# Allegro board A733_PRO3_AXP318_LPDDR5_FBGA315BALL_32X1_V2_0.brd (continued)
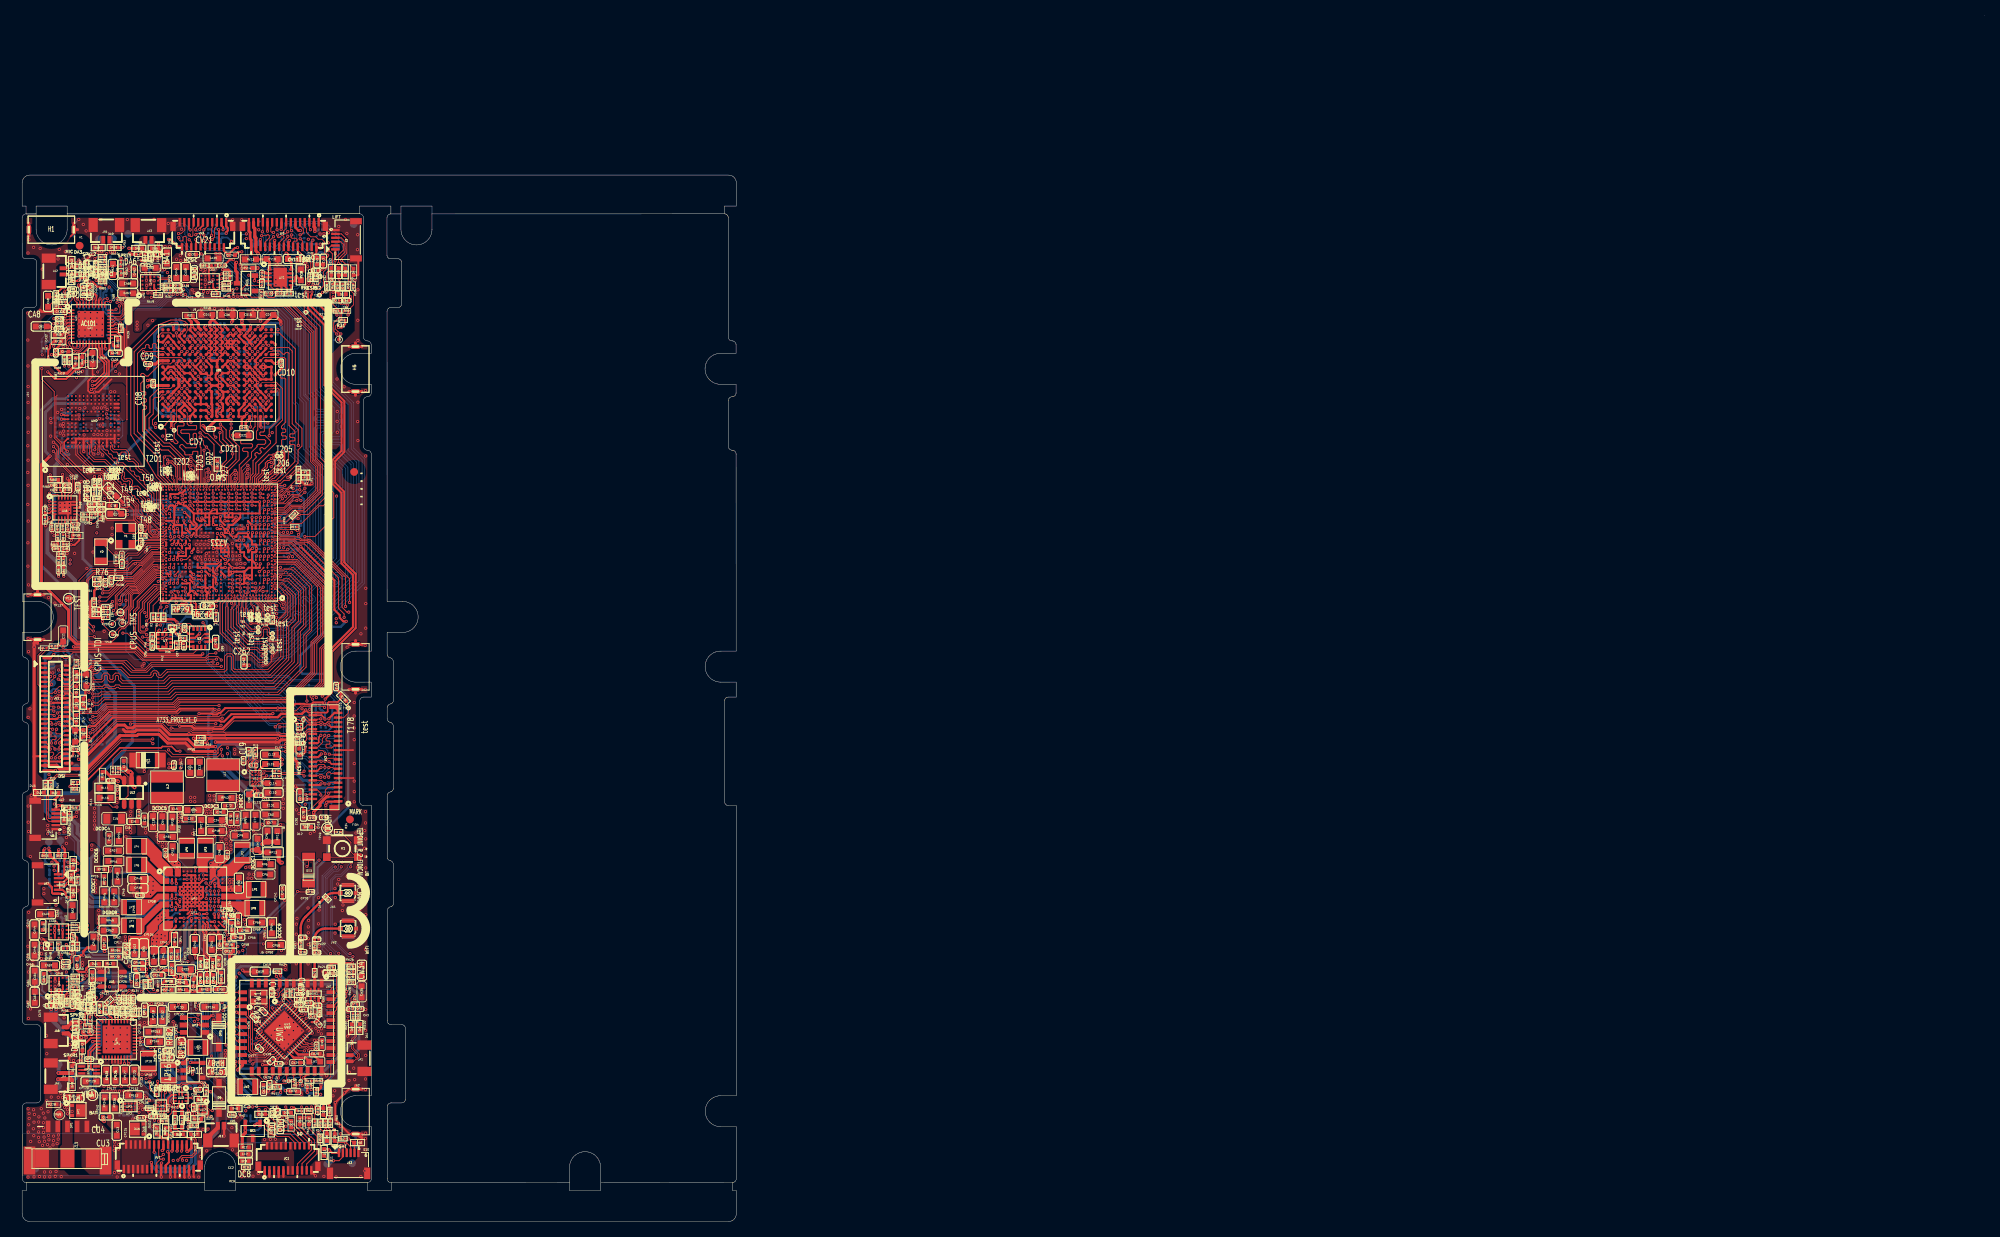
[diagram p0: board, top side]
## Routing (per net, layer and track width the routed paths; a pad name or vN(x,y) marks a point on that pad's centre or on a via; arc(x,y) is an arc through that point) (continued)
MCSIB-CKP: length 82.9
  TOP w0.076: 26.91,78.97 26.91,78.99 26.99,79.06 26.99,79.28 27.38,79.67 27.38,80.5 27.37,80.51 U1.B14
  TOP w0.102: v1(32.28,73.48) 32.18,73.48 31.14,74.52 29.05,74.52 26.91,76.66 26.91,78.97 ; JV1.13 34.63,127.93 v1(34.73,127.84)
  BOTTOM w0.102: 40.83,120.31 40.84,120.29 T141.1 ; 40.83,120.31 40.83,120.62 40.52,120.93 39.6,120.93 39.47,121.06 39.47,121.66 39.98,122.17 39.98,122.59 39.68,122.89 39.26,122.89 38.75,122.38 38.58,122.38 38.31,122.66 38.31,123.63 37.89,124.05 37.23,124.05 37.04,124.24 37.04,124.9 35.43,126.52 35.43,127.29 34.88,127.84 v1(34.73,127.84) ; 40.83,120.31 40.83,118.07 40.53,117.78 40.1,117.78 39.8,118.09 39.8,118.55 39.67,118.68 39.49,118.68 39.41,118.6 39.41,117.21 39.53,117.09 39.77,117.09 40.06,116.79 40.06,116.37 39.77,116.07 39.53,116.07 39.41,115.95 39.41,108.01 39.42,107.97 42.02,105.37 42.02,99.49 43.42,98.09 43.42,82.66 34.24,73.48 v1(32.28,73.48)
MCSIB-D0N: length 88
  TOP w0.076: 26.04,79.9 26.06,79.92 26.06,80.02 26.33,80.3 26.33,80.56 U1.B16
  TOP w0.102: 26.04,79.9 25.83,79.69 25.83,76.06 28.51,73.38 29.68,73.38 30.61,72.45 31.18,72.45 31.41,72.68 v1(31.44,72.68) ; JV1.15 34.03,128.11 33.71,127.79 33.71,127.61 33.84,127.48 34.02,127.48 v1(34.23,127.7)
  BOTTOM w0.102: 41.1,117.45 40.89,116.64 40.28,115.95 39.82,114.78 39.82,108.15 42.43,105.54 42.43,99.67 43.83,98.27 43.83,82.48 34.52,73.17 34.43,73.1 32.24,72.55 31.56,72.55 v1(31.44,72.68) ; 41.1,117.45 41.3,118.24 41.3,118.41 41.63,121.45 41.63,124.65 41.18,126.19 40.22,127.37 39.26,128.34 38.5,128.74 36.73,128.74 36.6,128.61 36.6,128.34 36.48,128.22 36.31,128.22 36.19,128.34 36.19,128.61 36.07,128.73 35.86,128.73 35.74,128.61 35.74,128.36 35.62,128.24 35.45,128.24 35.33,128.36 35.33,128.61 35.21,128.73 35.05,128.73 34.93,128.61 34.93,128.38 34.81,128.26 34.64,128.26 34.52,128.38 34.52,128.61 34.4,128.73 34.17,128.73 34.04,128.6 34.04,127.89 v1(34.23,127.7) ; 41.1,117.45 T142.1
MCSIB-D0P: length 88
  TOP w0.076: U1.B17 26.18,80.79 26.18,80.36 25.95,80.13 25.84,80.13 25.83,80.12
  TOP w0.102: v1(34.25,127.11) 34.25,126.95 33.73,126.43 JV1.16 ; 25.83,80.12 25.52,79.81 25.52,75.93 28.38,73.07 29.55,73.07 30.48,72.14 v1(31.44,72.14)
  BOTTOM w0.102: 40.13,113.72 40.13,108.27 42.74,105.66 42.74,99.79 44.13,98.4 44.13,82.35 34.72,72.94 34.57,72.82 32.28,72.25 31.54,72.25 v1(31.44,72.14) ; 40.13,113.72 T143.1 ; 40.13,113.72 40.13,114.72 40.55,115.78 41.17,116.49 41.6,118.2 41.6,118.4 41.93,121.43 41.93,124.69 41.46,126.33 40.45,127.58 39.44,128.58 38.58,129.04 34.04,129.04 33.82,128.81 33.82,127.54 v1(34.25,127.11)
MCSIB-D1N: length 80.5
  TOP w0.076: 26.55,79.26 26.55,79.28 26.48,79.35 26.48,79.76 26.82,80.11 26.82,80.25 U1.A15
  TOP w0.102: 26.55,79.26 26.55,76.41 28.87,74.09 30.28,74.09 30.7,73.67 31.35,73.67 v1(31.42,73.74) ; JV1.18 33.13,126.3 33.74,126.92 33.74,127.1 33.61,127.23 33.46,127.23 33.17,126.94 33,126.94 32.93,127.01 v1(32.93,127.29)
  BOTTOM w0.102: v1(32.93,127.29) 33.17,127.05 33.27,127.05 33.54,126.78 ; T144.1 33.54,126.78 ; 33.54,126.78 33.74,126.58 33.74,126.25 34.91,125.08 35.36,125.08 35.9,124.55 35.9,123.15 37.73,121.32 38.11,121.32 38.39,121.04 38.39,120.62 37.82,120.05 37.82,119.47 38.39,118.9 38.39,107.58 38.4,107.57 38.4,107.54 41,104.94 41,104.38 40.79,104.17 40.79,103.63 41,103.42 41,103.07 40.73,102.8 40.73,102.31 41,102.03 41,101.36 40.88,101.24 39.94,101.24 39.64,100.95 39.64,100.53 39.94,100.23 40.88,100.23 41,100.11 41,99.06 42.4,97.66 42.4,83.08 34.22,74.9 33.78,74.9 33.37,74.5 33.03,74.5 32.62,74.9 32.18,74.9 31.57,74.3 31.57,73.89 v1(31.42,73.74)
MCSIB-D1P: length 80.5
  TOP w0.076: 26.25,79.26 26.25,79.28 26.33,79.35 26.33,79.83 26.67,80.17 26.67,80.31 U1.A16
  TOP w0.102: JV1.19 32.83,127.99 v1(32.86,127.96) ; v1(31.42,73.2) 31.25,73.37 30.58,73.37 30.16,73.79 28.74,73.79 26.25,76.28 26.25,79.26
  BOTTOM w0.102: v1(31.42,73.2) 31.88,73.66 31.88,74.17 32.3,74.6 32.5,74.6 32.9,74.19 33.5,74.19 33.9,74.6 34.35,74.6 42.7,82.96 42.7,97.79 41.31,99.19 41.31,100.24 41.01,100.53 40.07,100.53 39.95,100.65 39.95,100.82 40.07,100.94 41.01,100.94 41.31,101.24 41.31,102.16 41.03,102.44 41.03,102.67 41.31,102.95 41.31,103.54 41.09,103.76 41.09,104.04 41.31,104.25 41.31,105.07 38.7,107.67 38.7,107.69 38.69,107.71 38.69,119.03 38.12,119.6 38.12,119.93 38.69,120.5 38.69,121.17 38.23,121.63 37.85,121.63 36.2,123.28 36.2,124.67 35.49,125.39 35.03,125.39 34.85,125.57 ; 34.85,125.57 34.92,125.64 T145.1 ; 34.85,125.57 34.04,126.38 34.04,126.72 32.86,127.9 v1(32.86,127.96)
MCSIB-D2N: length 83
  TOP w0.076: 27.91,79.09 27.91,79.11 27.83,79.18 27.83,79.34 28.05,79.55 28.05,80.28 U1.A12
  TOP w0.102: JV1.21 32.23,128.35 32.06,128.18 32.06,127.74 32.19,127.61 v1(32.41,127.61) ; 27.91,79.09 27.91,77.15 29.52,75.54 30.68,75.54 30.8,75.67 30.8,76.44 31.11,76.74 31.63,76.74 31.9,76.48 31.9,75.82 31.99,75.73 32.14,75.73 v1(32.28,75.86)
  BOTTOM w0.102: v1(32.41,127.61) 31.9,127.1 31.9,126.99 31.9,126.98 31.9,126.98 31.9,126.07 32.45,125.52 32.87,125.52 33.07,125.71 33.23,125.71 33.35,125.59 33.35,125.43 33.16,125.23 33.16,124.81 34.05,123.92 34.47,123.92 34.88,124.33 35.05,124.33 35.17,124.21 35.17,124.04 34.76,123.63 34.76,123.21 36.19,121.78 36.19,119.62 ; T146.1 36.19,119.62 ; 36.19,119.62 36.19,119.3 37.37,118.12 37.37,118.11 37.68,117.8 37.68,107.15 39.91,104.91 39.91,102.1 39.77,101.96 38.71,101.96 38.41,101.66 38.41,100.47 41.69,97.19 41.69,83.39 41.51,83.2 41.34,83.2 40.81,83.73 40.39,83.73 40.09,83.43 40.09,83.01 40.62,82.48 40.62,82.32 40.5,82.2 40.33,82.2 39.81,82.72 39.39,82.72 39.09,82.42 39.09,82 39.61,81.48 39.61,81.31 39.49,81.19 39.32,81.19 38.8,81.72 38.38,81.72 38.08,81.42 38.08,81 38.6,80.47 38.6,80.3 33.94,75.64 32.5,75.64 v1(32.28,75.86)
MCSIB-D2P: length 83.1
  TOP w0.076: U1.A13 27.9,80.28 27.9,79.62 27.68,79.4 27.68,79.18 27.6,79.11 27.6,79.09
  TOP w0.102: 27.6,79.09 27.6,77.02 29.39,75.24 30.8,75.24 31.11,75.54 31.11,76.31 31.24,76.44 31.51,76.44 31.59,76.35 31.59,75.69 31.86,75.42 32.18,75.42 v1(32.28,75.33) ; v1(32.41,127.06) 31.93,126.58 JV1.22
  BOTTOM w0.102: v1(32.28,75.33) 32.28,75.34 34.07,75.34 38.91,80.18 38.91,80.6 38.38,81.12 38.38,81.29 38.51,81.41 38.67,81.41 39.2,80.89 39.62,80.89 39.92,81.18 39.92,81.6 39.39,82.13 39.39,82.3 39.51,82.42 39.68,82.42 40.2,81.89 40.63,81.89 40.92,82.19 40.92,82.61 40.4,83.14 40.4,83.3 40.52,83.42 40.69,83.42 41.21,82.9 41.63,82.9 41.99,83.26 41.99,97.32 38.72,100.6 38.72,101.53 38.84,101.65 39.9,101.65 40.22,101.97 40.22,105.04 37.98,107.28 37.98,117.93 37.68,118.24 37.68,118.25 36.49,119.43 36.49,121.91 35.29,123.11 ; 35.29,123.11 35.38,123.2 T147.1 ; 35.29,123.11 35.07,123.34 35.07,123.5 35.48,123.91 35.48,124.33 35.18,124.63 34.76,124.63 34.35,124.22 34.18,124.22 33.47,124.94 33.47,125.11 33.66,125.3 33.66,125.72 33.36,126.02 32.94,126.02 32.75,125.83 32.58,125.83 32.21,126.2 32.21,126.86 v1(32.41,127.06)
MCSIB-D3N: length 83
  TOP w0.076: 28.53,79.19 28.53,79.21 28.45,79.28 28.45,79.86 28.57,79.99 U1.B11
  TOP w0.102: v1(30.88,127.19) 31.47,127.19 31.59,127.32 31.74,127.32 31.86,127.2 31.86,126.91 31.33,126.38 JV1.24 ; 28.53,79.19 28.53,77.49 29.59,76.43 30.3,76.43 30.43,76.55 v1(30.43,76.63)
  BOTTOM w0.102: v1(30.43,76.63) 30.43,76.52 30.59,76.36 31.63,76.36 31.81,76.54 32.9,76.54 33.09,76.73 33.51,76.73 33.68,76.56 33.85,76.56 33.97,76.68 33.97,76.85 33.8,77.02 33.8,77.44 34.1,77.74 34.52,77.74 34.69,77.57 34.86,77.57 34.98,77.69 34.98,77.86 34.81,78.03 34.81,78.45 35.11,78.75 35.53,78.75 35.7,78.58 35.86,78.58 36.3,79.01 36.3,79.19 35.82,79.67 35.82,80.26 36.21,80.65 36.63,80.65 37.2,80.08 37.37,80.08 37.49,80.2 37.49,80.37 36.92,80.94 36.92,81.36 40.98,85.42 40.98,96.89 37.66,100.2 37.66,102.37 37.97,102.68 39.11,102.68 39.2,102.78 39.2,102.96 39.09,103.07 37.95,103.07 37.66,103.36 37.66,103.81 37.95,104.09 39.09,104.09 39.2,104.2 39.2,104.39 39.09,104.5 37.96,104.5 37.66,104.79 37.66,106.15 37.41,106.4 37.41,106.4 36.96,106.84 36.96,117.5 34.65,119.81 34.65,120.33 34.95,120.63 35.33,120.63 35.45,120.74 35.45,120.91 35.33,121.03 34.95,121.03 34.65,121.33 34.65,122.3 32.86,124.09 ; 32.86,124.09 32.38,124.58 32.21,124.58 31.51,123.88 31.09,123.88 30.79,124.18 30.79,124.6 31.49,125.3 31.49,125.46 31.12,125.83 31.12,126.95 v1(30.88,127.19) ; 32.86,124.09 T148.1
MCSIB-D3P: length 82.9
  TOP w0.076: 28.22,79.19 28.22,79.21 28.3,79.28 28.3,79.92 28.42,80.05 28.42,80.55 U1.B12
  TOP w0.102: JV1.25 31.03,127.76 v1(30.97,127.7) ; v1(30.43,76.06) 30.37,76.12 29.47,76.12 28.22,77.37 28.22,79.19
  BOTTOM w0.102: 31.43,126.62 31.43,125.96 31.79,125.59 31.79,125.17 31.1,124.47 31.1,124.31 31.22,124.19 31.39,124.19 32.08,124.88 32.5,124.88 34.96,122.43 34.96,121.46 35.08,121.34 35.46,121.34 35.76,121.04 35.76,120.62 35.46,120.32 35.08,120.32 34.96,120.2 34.96,119.94 37.27,117.63 37.27,106.97 37.53,106.71 37.54,106.71 37.97,106.27 37.97,104.92 38.09,104.8 39.22,104.8 39.51,104.51 39.51,104.07 39.22,103.78 38.07,103.78 37.97,103.68 37.97,103.48 38.07,103.38 39.22,103.38 39.51,103.09 39.51,102.65 39.23,102.37 38.1,102.37 37.97,102.24 37.97,100.33 41.28,97.01 41.28,85.29 37.22,81.23 37.22,81.07 37.79,80.5 37.79,80.08 37.49,79.78 37.07,79.78 36.5,80.35 36.34,80.35 36.13,80.14 36.13,79.79 36.6,79.32 36.6,78.89 35.99,78.27 35.57,78.27 35.4,78.44 35.23,78.44 35.11,78.32 35.11,78.15 35.28,77.99 35.28,77.56 34.98,77.27 34.56,77.27 34.39,77.44 34.22,77.44 34.11,77.32 34.11,77.15 34.28,76.98 34.28,76.56 33.98,76.26 33.56,76.26 33.39,76.43 33.22,76.43 33.03,76.24 31.94,76.24 31.75,76.06 v1(30.43,76.06) ; 31.43,126.62 T149.1 ; 31.43,126.62 31.43,127.24 v1(30.97,127.7)
MCSIC-CKN: length 69.7
  TOP w0.076: 31.19,78.64 31.19,78.66 31.11,78.74 31.11,79.02 29.94,80.2 29.94,80.56 U1.B7
  TOP w0.102: v1(22.38,127.32) 22.55,127.48 22.88,127.48 23.01,127.35 JV3.12 ; 31.19,78.64 31.19,78.15 31.34,78 31.51,78 31.64,78.13 v1(31.64,78.23)
  BOTTOM w0.102: v1(31.64,78.23) 31.81,78.06 31.99,78.06 32.13,78.21 32.13,79.72 32.95,80.54 32.95,80.96 38.21,86.22 38.21,93.29 39.2,94.28 39.2,94.28 39.22,94.31 39.22,96.72 36.3,99.64 36.3,105.59 35.61,106.29 35.61,116.9 33.34,119.16 33.34,119.19 33.28,119.25 33.28,121.66 32.85,122.1 30.12,122.1 26.96,125.26 23.72,125.26 22.74,126.24 22.74,127.2 22.51,127.44 v1(22.38,127.32)
MCSIC-CKP: length 69.8
  TOP w0.076: 30.89,78.64 30.89,78.66 30.96,78.74 30.96,78.95 29.78,80.13 29.78,80.79 U1.B8
  TOP w0.102: 30.89,78.64 30.89,78 31.26,77.63 v1(31.64,77.63) ; v1(22.38,127.95) 22.38,128.15 22.71,128.48 JV3.13
  BOTTOM w0.102: v1(22.38,127.95) 22.55,127.79 22.59,127.79 23.05,127.33 23.05,126.36 23.84,125.56 27.08,125.56 30.25,122.4 32.98,122.4 33.59,121.79 33.59,119.38 33.65,119.32 33.65,119.29 35.91,117.03 35.91,106.41 36.61,105.71 36.61,99.77 39.53,96.85 39.53,94.18 39.5,94.16 38.51,93.17 38.51,86.09 33.26,80.83 33.26,80.42 32.44,79.6 32.44,78.08 31.98,77.63 31.86,77.63 v1(31.64,77.63)
MCSIC-D0N: length 73.1
  TOP w0.076: 29.04,79.04 29.04,79.06 28.97,79.13 28.97,80.39 U1.A10
  TOP w0.102: JV3.15 22.11,128.4 22.02,128.31 22.02,127.21 21.89,127.08 21.71,127.08 21.53,127.26 v1(21.53,127.3) ; v1(29.5,78.31) 29.35,78.16 29.14,78.16 29.04,78.26 29.04,79.04
  BOTTOM w0.102: v1(21.53,127.3) 21.28,127.56 21.28,128.41 20.96,128.73 19.95,128.73 19.41,128.19 19.41,126.26 22.46,123.21 26.1,123.21 31.15,118.16 32.32,118.16 34.18,116.29 34.18,99.28 37.8,95.66 37.8,94.92 36.79,93.9 36.79,86.7 34.01,83.92 33.04,83.92 32.42,83.3 32.42,82.98 31.59,82.15 31.59,81.15 29.86,79.42 29.86,78.37 29.74,78.25 29.56,78.25 v1(29.5,78.31)
MCSIC-D0P: length 73.1
  TOP w0.076: 28.74,79.04 28.74,79.06 28.81,79.13 28.81,80.19 28.74,80.27 28.74,80.56 U1.B10
  TOP w0.102: v1(29.5,77.7) 29.35,77.86 29.02,77.86 28.74,78.14 28.74,79.04 ; v1(21.53,126.67) 21.81,126.4 JV3.16
  BOTTOM w0.102: v1(21.53,126.67) 21.53,126.76 20.98,127.32 20.98,128.28 20.84,128.42 20.07,128.42 19.72,128.07 19.72,126.39 22.59,123.52 26.22,123.52 31.28,118.46 32.44,118.46 34.49,116.42 34.49,99.41 38.11,95.79 38.11,94.79 37.09,93.78 37.09,86.58 34.13,83.62 33.17,83.62 32.72,83.17 32.72,82.85 31.9,82.03 31.9,81.03 30.17,79.29 30.17,78.25 29.78,77.86 29.65,77.86 v1(29.5,77.7)
MCSIC-D1N: length 69.8
  TOP w0.076: 29.91,79.47 29.9,79.48 29.79,79.48 29.61,79.66 29.61,80.56 29.37,80.8 U1.B9
  TOP w0.102: 29.91,79.47 30.15,79.23 30.15,78.18 30.25,78.08 30.4,78.08 30.5,78.18 v1(30.5,78.28) ; JV3.18 21.21,126.36 21.17,126.4 21.17,127 21.06,127.1 20.87,127.1 20.75,126.97 20.75,126.62 20.64,126.52 20.35,126.52 20.19,126.68 v1(20.19,126.96)
  BOTTOM w0.102: v1(20.19,126.96) 20.26,126.96 20.39,126.83 20.39,126.44 22.87,123.96 26.35,123.96 31.45,118.87 32.62,118.87 34.89,116.6 34.89,105.69 35.31,105.27 35.31,102.28 34.9,101.86 34.9,99.6 38.51,95.98 38.51,94.61 37.5,93.6 37.5,86.52 32.19,81.22 32.19,80.84 30.96,79.61 30.96,78.54 30.97,78.53 30.97,78.23 30.84,78.1 30.68,78.1 v1(30.5,78.28)
MCSIC-D1P: length 69.7
  TOP w0.076: 29.69,79.25 29.68,79.27 29.68,79.38 29.46,79.59 29.46,80.3 29.44,80.32 29.44,80.33 U1.A9
  TOP w0.102: JV3.19 20.91,128.45 20.98,128.38 20.98,127.93 20.56,127.51 20.2,127.51 v1(20.16,127.47) ; v1(30.5,77.68) 30.4,77.78 30.12,77.78 29.84,78.06 29.84,79.1 29.69,79.25
  BOTTOM w0.102: v1(30.5,77.68) 30.62,77.8 30.97,77.8 31.27,78.1 31.27,78.66 31.27,78.66 31.27,79.48 32.49,80.71 32.49,81.09 37.8,86.4 37.8,93.47 38.82,94.49 38.82,96.11 35.2,99.72 35.2,101.74 35.62,102.15 35.62,105.4 35.2,105.82 35.2,116.72 32.75,119.18 31.57,119.18 26.48,124.27 22.99,124.27 20.7,126.57 20.7,127 20.23,127.47 v1(20.16,127.47)
MIC1N-MIC: length 7
  TOP w0.102: RA101.1 42.65,25.62 DA2.2 42.92,25.02 42.92,24 42.48,23.56 42.48,22.31 43.26,21.53 43.26,21.27 43.15,21.16 43.05,21.16 42.75,21.46 JA1.2
MIC1P-MIC: length 7.3
  TOP w0.102: JA1.1 42.75,20.66 43.05,20.96 43.24,20.96 43.47,21.19 43.47,21.61 42.68,22.39 42.68,23.47 43.12,23.91 43.12,25.06 DA1.2 43.26,25.74 RA100.1
MIC2N/MIC3N: length 12.6
  TOP w0.102: v1(7.11,119.04) 7.46,118.68 UA1.39 ; RA78.2 RA80.2 10.61,121.03 v1(10.78,120.86)
  L3 w0.102: v1(10.78,120.86) 10.78,122.44 11.2,122.86 11.55,122.86 11.91,122.5 11.91,120.42 11.32,119.84 7.82,119.84 7.55,119.56 7.55,119.48 v1(7.11,119.04)
MIC2N/MIC3N-1: length 0.7
  TOP w0.102: RA78.1 9.63,121.92 CA22.1
MIC2N/MIC3N-MIC: length 1.8
  TOP w0.102: RA103.1 7.1,122.19 DA4.2 JA2.2
MIC2P/MIC3P: length 12.6
  TOP w0.102: UA1.37 8.26,118.93 8.15,119.05 v1(8.15,119.06) ; RA77.2 RA79.2 10.6,124.57 v1(10.9,124.88)
  L3 w0.102: v1(8.15,119.06) 7.75,119.46 7.75,119.48 7.91,119.63 11.41,119.63 12.11,120.34 12.11,122.59 11.64,123.06 11.25,123.06 10.9,123.41 v1(10.9,124.88)
MIC2P/MIC3P-1: length 0.7
  TOP w0.102: CA19.1 9.61,123.81 RA77.1
MIC2P/MIC3P-MIC: length 1.9
  TOP w0.102: JA2.1 6.2,122.99 DA3.2 7.08,123.19 RA102.1
MIC-GND-SEL: length 101.2
  TOP w0.076: UU2.B2 23.45,14.67 23.91,14.67 24.27,14.31 v1(24.51,14.31)
  TOP w0.102: U1.AN1 33.03,93.2 33.41,93.59 33.5,93.59 34.15,94.23 34.5,94.23 34.54,94.19 35.15,94.19 35.36,94.41 v1(35.78,94.41)
  L3 w0.102: v1(35.78,94.41) 36.32,94.94 36.59,94.94 37.12,94.42 37.12,90.18 37.72,89.58 37.72,77.24 35.7,75.22 35.7,70.4 34.75,69.45 34.75,65.61 35.03,65.33 35.03,59.02 34.85,58.83 34.85,57.33 35.59,56.58 35.59,55.83 35.42,55.65 35.42,54.1 34.74,53.42 34.74,51.07 31.4,47.73 31.4,44.2 30.02,42.83 30.02,39.87 29.62,39.47 29.62,36.53 v1(28.59,35.51)
  L4 w0.102: v1(24.51,14.31) 26.2,14.31 26.58,14.69 29.15,14.69 v1(29.18,14.72)
  BOTTOM w0.102: v1(28.59,35.51) 28.9,35.2 28.9,34.17 27.1,32.37 27.1,30.55 25.76,29.22 24.63,29.22 24.25,28.84 24.25,25.42 25.37,24.3 25.37,19.73 29.18,15.91 v1(29.18,14.72)
MICIN1N: length 2.8
  TOP w0.102: UA1.1 6.04,117.58 5.88,117.74 5.88,118.38 6.45,118.95 6.45,119.31 6.69,119.55 CA9.1
MICIN1N-AC107: length 0.9
  TOP w0.102: RA82.1 4.71,89.94 UA6.6
MICIN1P: length 2.4
  TOP w0.102: UA1.40 7.06,118.55 6.75,118.86 6.75,119.18 7.04,119.48 7.04,119.93 6.69,120.28 CA6.1
MICIN1P-AC107: length 0.9
  TOP w0.102: RA81.1 5.11,89.95 UA6.7
MICIN2N-AC107: length 1.2
  TOP w0.102: UA6.12 7.42,91.66 RA84.1
MICIN2P-AC107: length 1.3
  TOP w0.102: UA6.11 7.16,91.26 RA83.1
MIPI-DSI0-CKN: length 60.1
  TOP w0.076: U1.G2 32.42,83.05 33,83.05 33.19,82.86 33.66,82.86 33.74,82.93 33.76,82.93
  TOP w0.102: v1(9.1,68.58) 9.27,68.74 10.51,68.74 10.7,68.94 10.98,68.94 11.17,68.74 12,68.74 12.18,68.92 12.39,68.92 12.57,68.74 18.64,68.74 19.36,69.47 32.37,69.47 35.08,72.18 35.08,76.5 35.92,77.34 35.92,81.39 34.38,82.93 33.76,82.93 ; JL1.32 5.22,62.73 4.39,61.9 4.39,61.82 v1(4.3,61.73)
  L4 w0.102: v1(9.1,68.58) 9.05,68.63 8.47,68.63 7.01,67.17 7.01,64.17 5.12,62.28 4.29,62.28 4.19,62.18 4.19,62.07 4.3,61.95 v1(4.3,61.73)
  BOTTOM w0.102: TP73.1 11.13,63.75 10.09,64.79 10.09,65.15 9.48,65.76 9.48,68.2 v1(9.1,68.58) ; DL8.2 4.28,61.76 v1(4.3,61.73)
MIPI-DSI0-CKP: length 59.8
  TOP w0.076: U1.G1 32.67,82.9 32.94,82.9 33.13,82.7 33.66,82.7 33.74,82.63 33.76,82.63
  TOP w0.102: v1(3.79,61.73) 3.79,62.05 3.92,62.18 4.24,62.18 4.39,62.33 4.39,62.51 4.27,62.62 3.37,62.62 3.18,62.43 JL1.33 ; 33.76,82.63 34.26,82.63 35.62,81.27 35.62,77.47 34.78,76.63 34.78,72.31 32.24,69.77 19.24,69.77 18.51,69.05 12.7,69.05 12.52,69.23 12.05,69.23 11.87,69.05 11.3,69.05 11.11,69.24 10.58,69.24 10.38,69.05 9.11,69.05 v1(9.08,69.09)
  L4 w0.102: v1(3.79,61.73) 3.79,61.95 3.91,62.07 3.91,62.3 4.17,62.56 5,62.56 6.73,64.29 6.73,67.29 8.35,68.91 8.87,68.91 9.05,69.09 v1(9.08,69.09)
  BOTTOM w0.102: TP72.1 10.79,64.68 10.64,64.68 10.4,64.92 10.4,65.28 9.79,65.89 9.79,68.32 9.5,68.61 9.5,68.68 9.1,69.09 v1(9.08,69.09) ; DL9.2 3.67,61.86 v1(3.79,61.73)
MIPI-DSI0-DN0: length 54.4
  TOP w0.076: U1.E2 32.36,82 32.36,82 32.75,82 33.21,82 33.81,81.4 33.92,81.4 33.93,81.39
  TOP w0.102: v1(4.35,64.16) 4.72,64.53 JL1.26 ; 33.93,81.39 34.55,80.77 34.55,78.08 33.66,77.18 33.66,72.77 31.8,70.91 27.3,70.91 26.98,71.23 26.98,72.83 26.86,72.95 26.54,72.95 26.41,72.82 26.41,71.21 26.1,70.9 18.75,70.9 18.73,70.88 18.7,70.88 17.99,70.17 17.6,70.17 17.32,70.45 17.32,70.65 17.21,70.76 17.01,70.76 16.91,70.65 16.91,70.45 16.63,70.17 13.75,70.17 12.68,71.23 10.18,71.23 9.63,70.69 9.16,70.69 v1(9.09,70.62)
  L4 w0.102: v1(4.35,64.16) 4.7,64.52 5.34,64.52 5.63,64.81 5.63,69.04 7.28,70.68 7.79,70.68 7.98,70.87 8.84,70.87 v1(9.09,70.62)
  BOTTOM w0.102: v1(9.09,70.62) 9.2,70.52 9.32,70.52 9.34,70.5 9.81,70.5 9.83,70.49 TP68.1
MIPI-DSI0-DN1: length 57.7
  TOP w0.076: U1.F1 33.63,82.4 34.26,81.76 34.37,81.76 34.39,81.75
  TOP w0.102: v1(9.09,69.61) 9.17,69.61 9.17,69.61 10.3,69.61 10.59,69.91 10.59,70.34 10.71,70.46 10.88,70.46 11,70.34 11,69.91 11.3,69.61 11.72,69.61 12.02,69.91 12.02,70.34 12.14,70.46 12.3,70.46 12.42,70.34 12.42,69.91 12.87,69.46 18.32,69.46 19.06,70.19 32.09,70.19 34.37,72.48 34.37,76.83 35.22,77.69 35.22,80.91 34.39,81.75 ; v1(3.93,63.51) 3.82,63.63 JL1.29
  L4 w0.102: v1(3.93,63.51) 3.93,63.5 4.42,63.02 4.86,63.02 6.32,64.48 6.32,67.48 6.56,67.72 6.56,68.1 6.37,68.29 6.37,68.43 6.52,68.58 6.66,68.58 6.85,68.39 7.23,68.39 7.88,69.04 7.88,69.8 8.22,70.14 8.56,70.14 v1(9.09,69.61)
  BOTTOM w0.102: v1(9.09,69.61) 9.17,69.61 10.22,68.55 10.22,66.62 TP71.1
MIPI-DSI0-DN2: length 56.3
  TOP w0.076: U1.J2 32.42,83.36 32.91,83.36 33.07,83.52 33.48,83.52 33.61,83.39 34.48,83.39 34.55,83.31 34.56,83.31
  TOP w0.102: v1(9.09,68.07) 9.88,68.07 10.14,68.34 18.82,68.34 19.5,69.02 32.51,69.02 35.56,72.08 35.56,76.23 36.28,76.95 36.28,81.59 34.56,83.31 34.56,83.31 ; JL1.35 3.03,61.83 3.52,61.34 3.92,61.34 4.14,61.11 4.14,61.05 v1(4.24,60.95)
  L4 w0.102: v1(9.09,68.07) 8.91,67.89 8.36,67.89 7.41,66.94 7.41,63.75 5.04,61.38 4.66,61.38 v1(4.24,60.95)
  BOTTOM w0.102: v1(4.24,60.95) 4.62,60.57 5.32,60.57 TP74.1
MIPI-DSI0-DN3: length 61.4
  TOP w0.076: 34.75,84.37 34.74,84.37 34.67,84.29 33.8,84.29 33.59,84.07 32.91,84.07 32.74,84.24 32.48,84.24 32.24,84 U1.K2
  TOP w0.102: v1(9.09,66.55) 9.09,66.55 9.14,66.6 9.86,66.6 10.58,67.32 19.25,67.32 19.91,67.98 33.06,67.98 36.61,71.53 36.61,75.54 37.33,76.27 37.33,82.04 35.01,84.37 34.75,84.37 ; v1(4.27,59.82) 4.27,59.97 4.47,60.16 4.47,60.16 4.82,60.5 4.96,60.5 5.39,60.93 JL1.38
  L4 w0.102: v1(9.09,66.55) 9.06,66.58 8.71,66.58 8.38,66.24 8.38,63.35 5.44,60.41 5.44,60.41 5.25,60.22 4.67,60.22 4.43,59.98 4.43,59.97 v1(4.27,59.82)
  BOTTOM w0.102: TP76.1 5.46,58.56 4.27,59.74 v1(4.27,59.82)
MIPI-DSI0-DP0: length 54.3
  TOP w0.076: U1.D2 32.17,81.66 32.36,81.85 32.82,81.85 33.15,81.85 33.72,81.28 33.72,81.17
  TOP w0.102: 33.72,81.17 34.25,80.64 34.25,78.21 33.35,77.31 33.35,72.89 31.67,71.21 27.43,71.21 27.28,71.36 27.28,72.96 26.98,73.25 26.41,73.25 26.11,72.95 26.11,71.34 25.98,71.21 18.6,71.21 17.86,70.47 17.72,70.47 17.62,70.57 17.62,70.78 17.34,71.06 16.89,71.06 16.61,70.78 16.61,70.57 16.5,70.47 13.88,70.47 12.81,71.54 10.05,71.54 9.51,70.99 9.23,70.99 v1(9.09,71.13) ; v1(3.84,64.16) 3.84,64.43 3.75,64.51 3.46,64.51 3.18,64.23 JL1.27
  L4 w0.102: v1(9.09,71.13) 9.07,71.15 7.87,71.15 7.68,70.96 7.16,70.96 5.35,69.15 5.35,64.92 5.23,64.8 4.33,64.8 3.84,64.3 v1(3.84,64.16)
  BOTTOM w0.102: TP69.1 8.61,71.61 v1(9.09,71.13)
MIPI-DSI0-DP1: length 57
  TOP w0.076: U1.F2 32.41,82.16 32.76,82.16 32.85,82.25 33.56,82.25 34.16,81.65 34.16,81.55 34.17,81.53
  TOP w0.102: 34.17,81.53 34.92,80.78 34.92,77.81 34.07,76.96 34.07,72.6 31.96,70.5 18.93,70.5 18.19,69.76 13,69.76 12.73,70.03 12.73,70.47 12.43,70.76 12.01,70.76 11.71,70.47 11.71,70.03 11.59,69.91 11.42,69.91 11.31,70.03 11.31,70.47 11.01,70.76 10.59,70.76 10.29,70.47 10.29,70.03 10.17,69.91 9.29,69.91 v1(9.09,70.11) ; JL1.30 5.4,63.33 4.99,62.91 4.47,62.91 4.34,63.04 4.34,63.41 v1(4.44,63.51)
  L4 w0.102: v1(4.44,63.51) 4.44,63.39 4.53,63.3 4.74,63.3 6.04,64.59 6.04,67.6 6.28,67.84 6.28,67.98 6.09,68.17 6.09,68.55 6.4,68.85 6.78,68.85 6.97,68.67 7.11,68.67 7.6,69.16 7.6,69.91 8.1,70.42 8.68,70.42 8.98,70.11 v1(9.09,70.11)
  BOTTOM w0.102: TP70.1 10.94,68.26 9.29,69.91 9.29,69.97 9.15,70.11 v1(9.09,70.11)
MIPI-DSI0-DP2: length 56
  TOP w0.076: U1.J1 32.66,83.51 32.84,83.51 33.01,83.67 33.54,83.67 33.64,83.57 33.77,83.57 33.86,83.66 33.86,83.79 33.95,83.88 34.07,83.88 34.16,83.79 34.16,83.64 34.26,83.54 34.46,83.54 34.54,83.62
  TOP w0.102: v1(9.1,67.56) 9.3,67.77 10,67.77 10.27,68.03 18.94,68.03 19.63,68.72 32.63,68.72 35.87,71.95 35.87,76.1 36.58,76.82 36.58,81.71 34.68,83.62 34.54,83.62 ; v1(4.74,60.95) 4.74,61.25 4.87,61.38 4.96,61.38 5.11,61.53 JL1.36
  L4 w0.102: v1(9.1,67.56) 9.05,67.61 8.48,67.61 7.69,66.82 7.69,63.64 5.15,61.1 4.89,61.1 v1(4.74,60.95)
  BOTTOM w0.102: TP75.1 4.92,60.95 v1(4.74,60.95)
MIPI-DSI0-DP3: length 60.6
  TOP w0.076: 34.82,84.06 34.75,84.06 34.68,84.14 33.87,84.14 33.65,83.92 32.84,83.92 32.76,84 U1.K1